# KiCad board ADCS_board.kicad_pcb (continued)
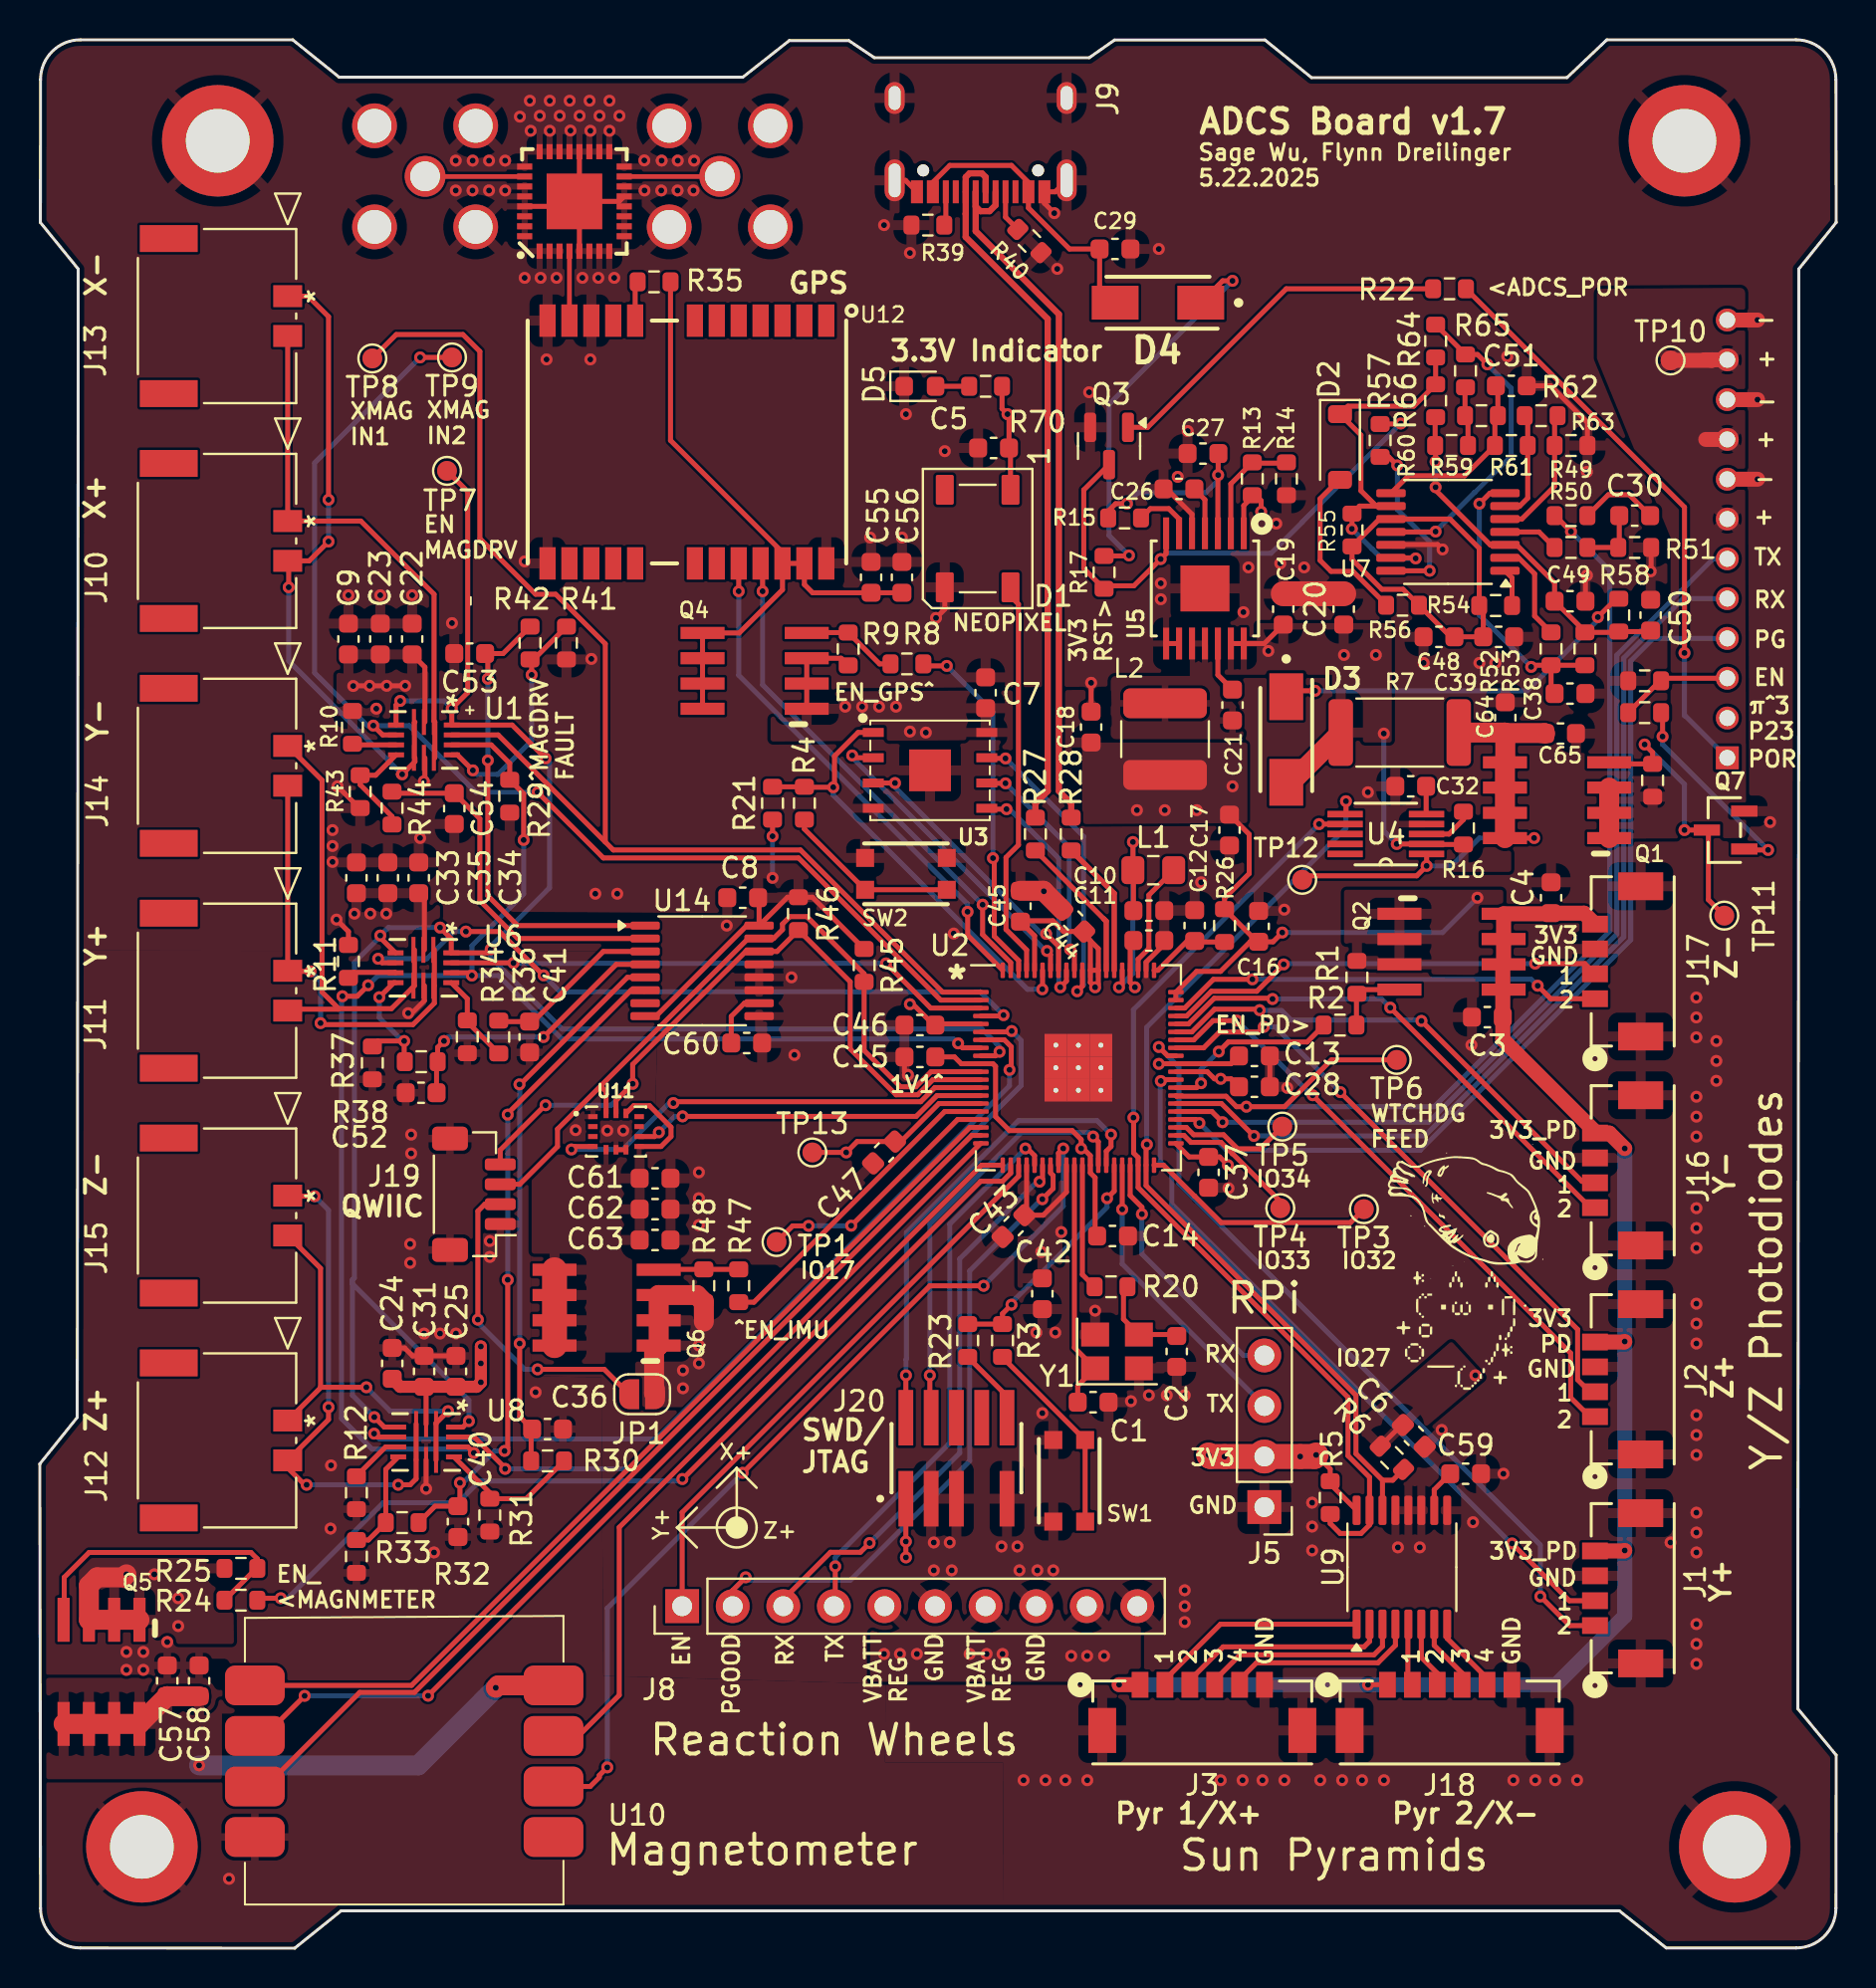
[diagram p0: board, top side]
## Footprints (pads in the part's own frame, mm; a bottom-side part is the same pattern mirrored in y, then rotated)
ADM1176-1ARMZ-R7
  rect 1.778x0.33 smd: 1(-2.045,1) 2(-2.045,0.5) 3(-2.045,0) 4(-2.045,-0.5) 5(-2.045,-1) 6(2.045,-1) 7(2.045,-0.5) 8(2.045,0) 9(2.045,0.5) 10(2.045,1)
BMI270
  rect 0.475x0.25 smd: 1(-1.163,0.75) 2(-1.163,0.25) 3(-1.163,-0.25) 4(-1.163,-0.75) 8(1.163,-0.75) 9(1.163,-0.25) 10(1.163,0.25) 11(1.163,0.75)
  rect 0.25x0.475 smd: 5(-0.5,-0.912) 6(0,-0.912) 7(0.5,-0.912) 12(0.5,0.912) 13(0,0.912) 14(-0.5,0.912)
BTN_KMR2_4.6X2.8
  rect 0.9x0.9 smd: A(2.05,0.8) A'(-2.05,0.8) B(2.05,-0.8) B'(-2.05,-0.8)
C_0603_1608Metric
  rrect 0.9x0.95 smd: 1(-0.775,0) 2(0.775,0)
Crystal_SMD_3225-4Pin_3.2x2.5mm
  rect 1.4x1.2 smd: 1(-1.1,-0.85) 2(1.1,-0.85) 3(1.1,0.85) 4(-1.1,0.85)
D_SOD-123
  rrect 0.9x1.2 smd: 1(-1.65,0) 2(1.65,0)
DIOM5226X262N
  rect 2.35x1.7 smd: 1(-2.15,0) 2(2.15,0)
DMP2040USS-13
  rect 0.61x2.21 smd: 1(-1.905,-2.616) 2(-0.635,-2.616) 3(0.635,-2.616) 4(1.905,-2.616) 5(1.905,2.616) 6(0.635,2.616) 7(-0.635,2.616) 8(-1.905,2.616)
JST_SH_BM04B-SRSS-TB_1x04-1MP_P1.00mm_Vertical
  rrect 0.6x1.55 smd: 1(-1.5,-1.325) 2(-0.5,-1.325) 3(0.5,-1.325) 4(1.5,-1.325)
  rrect 1.2x1.8 smd: MP(-2.8,1.2) MP(2.8,1.2)
L_0805_2012Metric_Pad1.15x1.40mm_HandSolder
  rrect 1.15x1.4 smd: 1(-1.025,0) 2(1.025,0)
L_2141
  rrect 1.5x4.2 smd: 1(-1.8,0) 2(1.8,0)
LED_0603_1608Metric
  rrect 0.875x0.95 smd: 1(-0.787,0) 2(0.787,0)
LED_WS2812B_PLCC4_5.0x5.0mm_P3.2mm
  rrect 1.5x0.9 smd: 1(-2.45,1.65) 2(-2.45,-1.65) 3(2.45,-1.65) 4(2.45,1.65)
Molex_35362-1250
  rect 1.15x1.15 hole 0.8: 1(0,0)
  round 1.15 hole 0.8: 2(-2,0) 3(-4,0) 4(-6,0) 5(-8,0) 6(-10,0) 7(-12,0) 8(-14,0) 9(-16,0) 10(-18,0) 11(-20,0) 12(-22,0)
Molex_205338-0002
  rect 1.1x1.45 smd: 1(0,0) 2(-2,0)
  rect 1.35x2.9 smd: 3(2.895,5.975) 4(-4.895,5.975)
Molex_505567-0431
  rect 0.838x1.295 smd: 1(0,0) 2(-1.25,0) 3(-2.5,0) 4(-3.75,0)
  rect 1.397x2.261 smd: 5(-5.65,2.295) 6(1.9,2.295)
Molex_505567-0631
  rect 0.838x1.295 smd: 1(0,0) 2(-1.25,0) 3(-2.5,0) 4(-3.75,0) 5(-5,0) 6(-6.25,0)
  rect 1.397x2.261 smd: 7(-8.15,2.295) 8(1.9,2.295)
MountingHole_3.2mm_M3_DIN965_Pad
  round 5.6 hole 3.2: 1(0,0)
Orion_B16
  rect 1.626x0.813 smd: 1(5.85,-7.62) 2(5.85,-6.52) 3(5.85,-5.42) 4(5.85,-4.32) 5(5.85,-3.22) 6(5.85,-2.12) 7(5.85,-1.02) 8(5.85,1.98) 9(5.85,3.08) 10(5.85,4.18) 11(5.85,5.28) 12(5.85,6.38) 13(-6.35,6.38) 14(-6.35,5.28) 15(-6.35,4.18) 16(-6.35,3.08) 17(-6.35,1.98) 18(-6.35,-1.02) 19(-6.35,-2.12) 20(-6.35,-3.22) 21(-6.35,-4.32) 22(-6.35,-5.42) 23(-6.35,-6.52) 24(-6.35,-7.62)
PinHeader_1x04_P2.54mm_Vertical
  rect 1.7x1.7 hole 1: 1(0,0)
  round 1.7 hole 1: 2(0,-2.54) 3(0,-5.08) 4(0,-7.62)
PinHeader_1x10_P2.54mm_Vertical
  rect 1.7x1.7 hole 1: 1(0,0)
  round 1.7 hole 1: 2(0,-2.54) 3(0,-5.08) 4(0,-7.62) 5(0,-10.16) 6(0,-12.7) 7(0,-15.24) 8(0,-17.78) 9(0,-20.32) 10(0,-22.86)
PWP14_2P31X2P46-L
  rect 1.6x0.305 smd: 1(-2.769,1.95) 2(-2.769,1.3) 3(-2.769,0.65) 4(-2.769,0) 5(-2.769,-0.65) 6(-2.769,-1.3) 7(-2.769,-1.95) 8(2.769,-1.95) 9(2.769,-1.3) 10(2.769,-0.65) 11(2.769,0) 12(2.769,0.65) 13(2.769,1.3) 14(2.769,1.95)
  rect 2.31x2.46 smd: 15(0,0)
QFN32-5X5MM
  rect 0.762x0.305 smd: 1(-2.5,1.75) 2(-2.5,1.25) 3(-2.5,0.75) 4(-2.5,0.25) 5(-2.5,-0.25) 6(-2.5,-0.75) 7(-2.5,-1.25) 8(-2.5,-1.75) 17(2.5,-1.75) 18(2.5,-1.25) 19(2.5,-0.75) 20(2.5,-0.25) 21(2.5,0.25) 22(2.5,0.75) 23(2.5,1.25) 24(2.5,1.75)
  rect 0.305x0.762 smd: 9(-1.75,-2.5) 10(-1.25,-2.5) 11(-0.75,-2.5) 12(-0.25,-2.5) 13(0.25,-2.5) 14(0.75,-2.5) 15(1.25,-2.5) 16(1.75,-2.5) 25(1.75,2.5) 26(1.25,2.5) 27(0.75,2.5) 28(0.25,2.5) 29(-0.25,2.5) 30(-0.75,2.5) 31(-1.25,2.5) 32(-1.75,2.5)
  rect 2.794x2.794 smd: EP(0,0)
QFN-14_MP6551_MNP
  rect 1.3x0.2 smd: 1(-0.9,0.5) 2(-0.9,0) 3(-0.9,-0.5) 8(0.9,-0.5) 9(0.9,0) 10(0.9,0.5)
  rect 0.25x0.8 smd: 4(-0.75,-1.4) 5(-0.25,-1.4) 6(0.25,-1.4) 7(0.75,-1.4) 11(0.75,1.4) 12(0.25,1.4) 13(-0.25,1.4) 14(-0.75,1.4)
R_0603_1608Metric
  rrect 0.8x0.95 smd: 1(-0.825,0) 2(0.825,0)
R_2512_6332Metric
  rrect 1.225x3.35 smd: 1(-2.962,0) 2(2.962,0)
RM3100CB
  rrect 3x2 smd: 1(-7.5,3.81) 2(-7.5,1.27) 3(-7.5,-1.27) 4(-7.5,-3.81) 5(7.5,3.81) 6(7.5,1.27) 7(7.5,-1.27) 8(7.5,-3.81)
RP2350-QFN-80-1EP_10x10_P0.4mm_EP3.4x3.4mm_ThermalVias
  rrect 1.2x1.2 smd: (-0.7,0.7) (-0.7,-0.7) (0.7,0.7) (0.7,-0.7)
  rrect 0.78x0.22 smd: 1(-4.896,3.8) 2(-4.896,3.4) 3(-4.896,3) 4(-4.896,2.6) 5(-4.896,2.2) 6(-4.896,1.8) 7(-4.896,1.4) 8(-4.896,1) 9(-4.896,0.6) 10(-4.896,0.2) 11(-4.896,-0.2) 12(-4.896,-0.6) 13(-4.896,-1) 14(-4.896,-1.4) 15(-4.896,-1.8) 16(-4.896,-2.2) 17(-4.896,-2.6) 18(-4.896,-3) 19(-4.896,-3.4) 20(-4.896,-3.8) 41(4.896,-3.8) 42(4.896,-3.4) 43(4.896,-3) 44(4.896,-2.6) 45(4.896,-2.2) 46(4.896,-1.8) 47(4.896,-1.4) 48(4.896,-1) 49(4.896,-0.6) 50(4.896,-0.2) 51(4.896,0.2) 52(4.896,0.6) 53(4.896,1) 54(4.896,1.4) 55(4.896,1.8) 56(4.896,2.2) 57(4.896,2.6) 58(4.896,3) 59(4.896,3.4) 60(4.896,3.8)
  rrect 0.22x0.78 smd: 21(-3.8,-4.896) 22(-3.4,-4.896) 23(-3,-4.896) 24(-2.6,-4.896) 25(-2.2,-4.896) 26(-1.8,-4.896) 27(-1.4,-4.896) 28(-1,-4.896) 29(-0.6,-4.896) 30(-0.2,-4.896) 31(0.2,-4.896) 32(0.6,-4.896) 33(1,-4.896) 34(1.4,-4.896) 35(1.8,-4.896) 36(2.2,-4.896) 37(2.6,-4.896) 38(3,-4.896) 39(3.4,-4.896) 40(3.8,-4.896) 61(3.8,4.896) 62(3.4,4.896) 63(3,4.896) 64(2.6,4.896) 65(2.2,4.896) 66(1.8,4.896) 67(1.4,4.896) 68(1,4.896) 69(0.6,4.896) 70(0.2,4.896) 71(-0.2,4.896) 72(-0.6,4.896) 73(-1,4.896) 74(-1.4,4.896) 75(-1.8,4.896) 76(-2.2,4.896) 77(-2.6,4.896) 78(-3,4.896) 79(-3.4,4.896) 80(-3.8,4.896)
  round 0.6 hole 0.25: 81(-1.133,1.133) 81(-1.133,0) 81(-1.133,-1.133) 81(0,1.133) 81(0,0) 81(0,-1.133) 81(1.133,1.133) 81(1.133,0) 81(1.133,-1.133)
  rect 1.133x1.133 smd: 81(-1.133,1.133) 81(-1.133,0) 81(-1.133,-1.133) 81(0,1.133) 81(0,0) 81(0,-1.133) 81(1.133,1.133) 81(1.133,0) 81(1.133,-1.133)
SAMTEC_FTSH-105-01-L-DV-007
  rect 0.74x2.79 smd: 1(-2.54,-2.035) 2(-2.54,2.035) 3(-1.27,-2.035) 4(-1.27,2.035) 5(0,-2.035) 6(0,2.035) 8(1.27,2.035) 9(2.54,-2.035) 10(2.54,2.035)
SMA_Amphenol_901-144_horizontal
  round 2.05 hole 1.5: 1(0,0)
  round 2.25 hole 1.7: 2(-2.54,-2.54) 2(-2.54,2.54) 2(2.54,-2.54) 2(2.54,2.54)
SolderJumper-2_P1.3mm_Open_RoundedPad1.0x1.5mm
  custom 1x1.5 smd: 1(-0.65,0) 2(0.65,0)
SON127P600X500X90-9N
  rect 1.05x0.45 smd: 1(-2.85,1.905) 2(-2.85,0.635) 3(-2.85,-0.635) 4(-2.85,-1.905) 5(2.85,-1.905) 6(2.85,-0.635) 7(2.85,0.635) 8(2.85,1.905)
  rect 2.1x2.1 smd: 9(0,0)
SOT-23
  rect 0.559x1.321 smd: 1(-0.953,-1.003) 2(0.953,-1.003) 3(0,0.876)
SOT-23#2
  rrect 1.475x0.6 smd: 1(-0.938,0.95) 2(-0.938,-0.95) 3(0.938,0)
TestPoint_Pad_D1.0mm
  round 1 smd: 1(0,0)
TSSOP-14_4.4x5mm_P0.65mm
  rrect 1.475x0.4 smd: 1(-2.862,1.95) 2(-2.862,1.3) 3(-2.862,0.65) 4(-2.862,0) 5(-2.862,-0.65) 6(-2.862,-1.3) 7(-2.862,-1.95) 8(2.862,-1.95) 9(2.862,-1.3) 10(2.862,-0.65) 11(2.862,0) 12(2.862,0.65) 13(2.862,1.3) 14(2.862,1.95)
TSSOP-16_4.4x5mm_P0.65mm
  rrect 1.475x0.4 smd: 1(-2.862,2.275) 2(-2.862,1.625) 3(-2.862,0.975) 4(-2.862,0.325) 5(-2.862,-0.325) 6(-2.862,-0.975) 7(-2.862,-1.625) 8(-2.862,-2.275) 9(2.862,-2.275) 10(2.862,-1.625) 11(2.862,-0.975) 12(2.862,-0.325) 13(2.862,0.325) 14(2.862,0.975) 15(2.862,1.625) 16(2.862,2.275)
USB_C_Receptacle_XKB_U262-161N-4BVC11
  round 0.6 hole 0.65 unplated: (-2.385,4.035) (3.385,4.035)
  rect 0.6x1.15 smd: A1(-2.7,5.11) A4(-1.9,5.11) A9(2.9,5.11) A12(3.7,5.11)
  rect 0.3x1.15 smd: A5(-0.75,5.11) A6(0.25,5.11) A7(0.75,5.11) A8(1.75,5.11) B5(2.25,5.11) B6(1.25,5.11) B7(-0.25,5.11) B8(-1.25,5.11)
  oval 1x2.1 hole 0.6x1.7: S1(-3.82,4.535) S1(4.82,4.535)
  oval 1x1.6 hole 0.6x1.2: S1(-3.82,0.395) S1(4.82,0.395)

## Nets
3.3V: C5.1 C6.1 C7.1 C8.1 C11.1 C16.1 C17.2 C18.2 C28.1 C37.1 C42.1 C43.1 C44.1 C45.1 C46.1 C47.1 D1.1 J5.2 J20.1 JP1.2 L2.2 Q2.1 Q2.2 Q2.3 Q4.1 Q4.2 Q4.3 Q5.1 Q5.2 Q5.3 Q6.1 Q6.2 Q6.3 R1.2 R5.1 R6.1 R9.2 R13.2 R21.2 R25.2 R26.1 R29.2 R45.1 R46.1 R48.2 R70.2 TP13.1 U2.5 U2.15 U2.24 U2.29 U2.41 U2.50 U2.59 U2.60 U2.64 U2.68 U2.69 U2.76 U3.8 U5.1 U9.16 U14.8 U14.16
3V3_RESET: Q3.3 R17.2 R57.2 U5.7
+1V1: C10.1 C13.1 C14.1 C15.1 L1.1 U2.10 U2.32 U2.51 U2.65
/GPS/3V3_GPS: C55.1 C56.1 Q4.5 Q4.6 Q4.7 Q4.8 R35.2 U12.22 U12.23
/IMU_and_Magnetometer/3V3_IMU: C61.1 C62.1 C63.1 Q6.5 Q6.6 Q6.7 Q6.8 U11.5 U11.8 U11.12
/IMU_and_Magnetometer/3V3_MAGNMETER: C57.1 C58.1 Q5.5 Q5.6 Q5.7 Q5.8 U10.5
/Photodiodes/3V3_PD: C3.1 C4.1 J1.4 J2.4 J3.1 J16.4 J17.4 J18.1 Q2.5 Q2.6 Q2.7 Q2.8
GND: C1.2 C2.2 C3.2 C4.2 C5.2 C6.2 C7.2 C8.2 C9.2 C10.2 C11.2 C12.2 C13.2 C14.2 C15.2 C16.2 C17.1 C18.1 C19.2 C20.2 C22.2 C23.2 C24.2 C25.2 C26.2 C27.2 C28.2 C29.2 C31.2 C32.1 C33.2 C34.2 C35.2 C36.2 C37.2 C38.1 C39.1 C40.2 C41.2 C42.2 C43.2 C44.2 C45.2 C46.2 C47.2 C48.1 C49.1 C50.2 C51.1 C52.2 C53.2 C54.2 C55.2 C56.2 C57.2 C58.2 C59.2 C60.2 C61.2 C62.2 C63.2 C64.2 C65.2 D1.3 D5.1 H1.1 H2.1 H3.1 H4.1 J1.3 J1.5 J1.6 J2.3 J2.5 J2.6 J3.6 J3.7 J3.8 J4.8 J4.10 J4.12 J5.1 J6.2 J7.2 J8.6 J8.8 J8.10 J9.A1 J9.A12 J9.S1 J16.3 J16.5 J16.6 J17.3 J17.5 J17.6 J18.6 J18.7 J18.8 J19.1 J19.MP J20.3 J20.5 J20.9 Q3.2 Q7.2 R10.2 R11.2 R12.2 R14.1 R31.2 R32.2 R34.2 R37.2 R39.1 R40.1 R41.2 R43.2 R51.1 R63.2 R68.1 SW1.B SW1.B' SW2.B SW2.B' U1.9 U2.62 U2.81 U3.4 U3.9 U4.4 U5.5 U5.8 U5.9 U5.15 U6.9 U7.12 U8.9 U9.9 U9.11 U9.12 U9.13 U10.4 U11.1 U11.6 U11.7 U12.10 U12.12 U12.13 U12.24 U13.1 U13.2 U13.3 U13.5 U13.6 U13.7 U13.8 U13.9 U13.10 U13.11 U13.12 U13.13 U13.14 U13.16 U13.17 U13.18 U13.19 U13.20 U13.21 U13.22 U13.23 U13.24 U13.25 U13.27 U13.28 U13.29 U13.30 U13.31 U13.32 U13.EP U14.9 U14.11 U14.12 U14.13 Y1.2 Y1.4
VBATT_REG: C9.1 C19.1 C20.1 C22.1 C23.1 C24.1 C25.1 C31.1 C33.1 C34.1 C35.1 D3.2 D4.1 J8.5 J8.7 J8.9 R7.1 R16.1 R17.1 U1.2 U4.2 U5.13 U5.14 U6.2 U8.2
VBATT_SENSE: J4.7 J4.9 J4.11 Q1.1 Q1.2 Q1.3 R69.2 TP10.1
/Avionics/FLASH_CS: R4.2 R21.1 U2.75 U3.1
/Avionics/FLASH_IO2: U2.73 U3.3
/Avionics/FLASH_IO3: U2.70 U3.7
/Avionics/FLASH_MISO: U2.74 U3.2
/Avionics/FLASH_MOSI: U2.72 U3.5
/Avionics/FLASH_SCK: U2.71 U3.6
/Avionics/Magdrv Current Monitor Mux/Ch6: U14.7
/Avionics/Magdrv Current Monitor Mux/VREF: C60.1 U14.10
/Avionics/NEOPIXEL: D1.4 U2.77
/Avionics/RUN: R3.2 R23.2 U2.35
/Avionics/Sun Pyramid Mux/VREF: C59.1 U9.10
/Avionics/USB_IC_D+: R27.1 U2.67
/Avionics/USB_IC_D-: R28.1 U2.66
/Avionics/XTAL1: C1.1 U2.30 Y1.1
/Avionics/XTAL2: R20.2 U2.31
/GPS/RF_IN: U12.11 U13.4
/Watchdog/ref1: R62.2 R63.1 U7.5
/Watchdog/ref2: R61.2 R62.1 U7.6
/Watchdog/ref3: C51.2 R60.2 R61.1 U7.8
/Watchdog/ref4: R59.2 R60.1 R65.2
/Watchdog/WD_integrate: C39.2 C48.2 R54.2 R55.1 R56.1 U7.10
/Watchdog/WD_Vcc: C49.2 C50.1 R53.2 R58.2 R59.1 R66.2 U7.3
ADCS_EN: J4.3 R67.2 R68.2
ADCS_EN_OUT: C64.1 C65.1 Q1.5 Q1.6 Q1.7 Q1.8 R7.2 TP12.1 U4.1
ADCS_PGOOD: J4.4 U2.44
ADCS_POR: J4.1 R22.2
EN_GPS: R8.2 U2.78
EN_IMU: R47.2 U2.16
EN_MAGDRV: TP7.1 U1.4 U1.14 U2.9 U6.4 U6.14 U8.4 U8.14
EN_MAGNMETER: R24.2 U2.22
EN_PD: R2.2 U2.48
GPIO_17: TP1.1 U2.17
GPIO_32: TP3.1 U2.40
GPIO_33: TP4.1 U2.42
GPIO_34: TP5.1 U2.43
I2C0_SCL: J19.4 R46.2 U2.12 U11.13 U14.14
I2C0_SDA: J19.3 R45.2 U2.11 U11.14 U14.15
I2C1_SCL: R6.2 U2.39 U4.6 U9.14
I2C1_SDA: R5.2 U2.38 U4.7 U9.15
IMU_INT1: U2.13 U11.4
IMU_INT2: U2.14 U11.9
MAGMETER_DRDY: U2.28 U10.7
MISO_MAGMETER: U2.20 U10.2
MOSI_MAGMETER: U2.19 U10.3
MOTOR_EN: J8.1 U2.23
MOTOR_PGOOD: J8.2 U2.27
pd_y+_1: J1.2 U2.49
pd_y+_2: J1.1 U2.52
pd_y-_1: J16.2 U2.55
pd_y-_2: J16.1 U2.56
pd_z+_1: J2.2 U2.53
pd_z+_2: J2.1 U2.54
pd_z-_1: J17.2 U2.57
pd_z-_2: J17.1 U2.58
pyramid1_1: J3.2 U9.1
pyramid1_2: J3.3 U9.2
pyramid1_3: J3.4 U9.3
pyramid1_4: J3.5 U9.4
pyramid2_1: J18.2 U9.5
pyramid2_2: J18.3 U9.6
pyramid2_3: J18.4 U9.7
pyramid2_4: J18.5 U9.8
Q1_GATE: Q1.4 Q7.3 R69.1 TP11.1
RX_FROM_GPS: U2.80 U12.20
RX_FROM_MOTOR: J8.3 U2.26
RX_FROM_PICUBED: J4.5 U2.46
SCLK_MAGMETER: U2.18 U10.1
SCS_MAGMETER: U2.21 U10.6
SWCLK: J20.4 U2.33
SWDIO: J20.2 U2.34
TX_TO_GPS: U2.79 U12.21
TX_TO_MOTOR: J8.4 U2.25
TX_TO_PICUBED: J4.6 U2.45
UART_FROM_DEBUG: J5.4 U2.37
UART_TO_DEBUG: J5.3 U2.36
USB_CC1: J9.A5 R40.2
USB_CC2: J9.B5 R39.2
USB_D+: J9.A6 J9.B6 R27.2
USB_D-: J9.A7 J9.B7 R28.2
WATCHDOG_FEED: R49.1 TP6.1 U2.47
X_MAGDRV_CM1: C53.1 R42.1 U14.1
X_MAGDRV_CM2: C54.1 R44.1 U14.2
X_MAGDRV_IN1: TP8.1 U1.13 U2.1
X_MAGDRV_IN2: TP9.1 U1.5 U2.2
X_MAGDRV_nFAULT: R29.1 U1.12 U2.8 U6.12 U8.12
X_MAGDRV_OUT1: J10.1 J13.2 U1.1 U1.10
X_MAGDRV_OUT2: J10.2 J13.1 U1.3 U1.8
Y_MAGDRV_CM1: C41.1 R36.1 U14.3
Y_MAGDRV_CM2: C52.1 R38.1 U14.4
Y_MAGDRV_IN1: U2.3 U6.13
Y_MAGDRV_IN2: U2.4 U6.5
Y_MAGDRV_OUT1: J11.1 J14.2 U6.1 U6.10
Y_MAGDRV_OUT2: J11.2 J14.1 U6.3 U6.8
Z_MAGDRV_CM1: C36.1 R30.1 U14.5
Z_MAGDRV_CM2: C40.1 R33.1 U14.6
Z_MAGDRV_IN1: U2.6 U8.13
Z_MAGDRV_IN2: U2.7 U8.5
Z_MAGDRV_OUT1: J12.1 J15.2 U8.1 U8.10
Z_MAGDRV_OUT2: J12.2 J15.1 U8.3 U8.8
~{RESET}: J20.10 R23.1
Net-(C2-Pad1): C2.1 R20.1 Y1.3
Net-(C30-Pad1): C30.1 R49.2
Net-(C30-Pad2): C30.2 R50.1 R51.2
Net-(D2-A): D2.2 R56.2
Net-(D2-K): D2.1 R55.2 R64.2 R66.1 U7.9 U7.13
Net-(D3-K): D3.1 R58.1
Net-(D4-A): C29.1 D4.2 J9.A4 J9.A9
Net-(D5-A): D5.2 R70.1
Net-(J6-In): J6.1 U13.15
Net-(J7-In): J7.1 U13.26
Net-(J19-Pin_2): J19.2 JP1.1
Net-(Q2-Gate): Q2.4 R1.1 R2.1
Net-(Q3-B): Q3.1 R22.1
Net-(Q4-Gate): Q4.4 R8.1 R9.1
Net-(Q5-Gate): Q5.4 R24.1 R25.1
Net-(Q6-Gate): Q6.4 R47.1 R48.1
Net-(Q7-G): Q7.1 R67.1
Net-(R52-Pad1): R52.1 U7.2
Net-(R54-Pad1): R54.1 U7.1
Net-(R57-Pad1): R57.1 U7.14
Net-(SW1-P): R3.1 SW1.A SW1.A'
Net-(SW2-P): R4.1 SW2.A SW2.A'
Net-(U1-CM1): R41.1 R42.2 U1.11
Net-(U1-CM2): R43.1 R44.2 U1.7
Net-(U1-SR): R10.1 U1.6
Net-(U2-VREG_AVDD): C12.1 R26.2 U2.61
Net-(U2-VREG_LX): L1.2 U2.63
Net-(U4-ON): R16.2 U4.3
Net-(U4-TIMER): C32.2 U4.5
Net-(U5-PG): R15.1 U5.6
Net-(U5-SS): C26.1 U5.4
Net-(U5-SW1): C21.1 L2.1 U5.10 U5.11
Net-(U5-VBST): C21.2 U5.12
Net-(U5-VFB): R13.1 R14.2 U5.2
Net-(U5-VREG5): C27.1 R15.2 U5.3
Net-(U6-CM1): R34.1 R36.2 U6.11
Net-(U6-CM2): R37.1 R38.2 U6.7
Net-(U6-SR): R11.1 U6.6
Net-(U7A--): R50.2 U7.4
Net-(U7B-+): C38.2 R52.2 R53.1 U7.7
Net-(U7C-+): R64.1 R65.1 U7.11
Net-(U8-CM1): R30.2 R31.1 U8.11
Net-(U8-CM2): R32.1 R33.2 U8.7
Net-(U8-SR): R12.1 U8.6
Net-(U12-RSTN): R35.1 U12.8

Pads without a net: D1 2; J4 2; J9 A8 B8; J10 3 4; J11 3 4; J12 3 4; J13 3 4; J14 3 4; J15 3 4; J20 6 8; U4 8 9 10; U10 8; U11 2 3 10 11; U12 1 2 3 4 5 6 7 9 14 15 16 17 18 19

## Via types
v1: diameter 0.6, hole 0.3, Top to Bottom, 427 vias

## Routing (per net, layer and track width the routed paths; a pad name or vN(x,y) marks a point on that pad's centre or on a via; arc(x,y) is an arc through that point)
3.3V: length 130.8
  Top w0.25: U2.76 49.96,50.88 C45.1 49.29,51.63 50.88,51.63 51.42,51.09 C44.1 ; U14.8 30.95,46.84 35.5,51.39 U14.16 ; U2.41 57.06,40.43 57.72,39.76 C37.1 59.25,39.76 v1(59.67,39.35) ; R21.2 v1(36.8,55.88) ; U2.60 58.1,49.09 59.3,49.09 60.78,50.57 C16.1 ; U2.60 57.06,47.99 ; U2.60 57.06,47.99 ; 64.1,24.41 v1(64.1,24.79) 64.81,24.08 R5.1 64.81,23.33 U9.16 ; v1(43.5,19.64) 43.49,19.64 v1(43.49,20.44) J20.1 ; U2.59 57.06,47.99 ; R46.1 38.8,52.81 R45.1 ; R46.1 38.12,52.79 ; R46.1 37.55,52.81 U14.16 ; C6.1 68.39,26.29 R6.1 ; v1(61.34,72.19) 61.34,72.73 61.02,73.05 60.47,72.49 U5.1 ; C28.1 59.82,43.69 58.99,43.69 58.64,44.04 U2.50 ; U2.69 52.76,48.53 v1(53,48.29) 53.16,48.45 U2.68 ; U2.69 U2.68 ; U2.69 52.76,50.63 52.3,51.09 53.16,50.23 U2.68 ; C8.1 36.12,52.74 U14.16 ; C16.1 61.14,50.57 R26.1 59.5,52.76 60.74,54 60.74,55.97 C17.2 ; C16.1 61.93,50.57 v1(62.4,51.04) ; v1(43.7,47.44) 43.85,47.44 44.84,46.44 U2.5 ; 54.76,50.47 U2.64 54.76,48.53 v1(55,48.29) ; Q4.1 Q4.2 Q4.3 40.24,64.82 R9.2 ; U2.15 45.16,42.44 43.25,40.53 C47.1 41.05,40.53 v1(40.5,39.99) TP13.1 ; U2.24 49.56,36.94 C43.1 50.4,36.83 51.56,38 U2.29 ; R70.2 48.32,77.36 v1(48.6,77.09) 48.67,77.01 C5.1 48.75,75.31 D1.1
  Top w1: JP1.2 30.85,27.89 30.85,30.05 Q6.1 Q6.2 Q6.3 32.99,32.82 R48.2 33.35,31.49 ; Q5.1 Q5.3 2.46,18.23 2.87,18.64 4.2,18.64 v1(4.35,18.79)
  Top w1.25: v1(64.1,24.79) 64.02,24.71 v1(63.3,24.71) J5.2 v1(59.5,24.71) 58.78,24.71 v1(58.7,24.79)
  Route15 w0.25: v1(55,48.29) 55,49.59 ; v1(53,48.29) 53,49.29
  Bottom w0.25: v1(62.4,51.04) 70.45,51.04 v1(72.2,52.79) ; v1(36.8,53.79) v1(36.8,55.88)
  vias: v1(5.75,18.79) v1(6.95,17.59) v1(6.95,16.19) v1(27.9,52.99) v1(29,52.99) v1(32.3,29.04) v1(32.3,28.14) v1(33.1,30.29) v1(33.1,29.39) v1(40.45,62.39) v1(41.3,62.39) v1(42.15,62.39) v1(43,62.39) v1(43.7,61.14) v1(44.5,61.09) v1(50.3,34.99) v1(51.3,35.99) v1(55.1,57.19) v1(56.5,57.19) v1(58.1,57.19) v1(59.31,43.69) v1(59.9,58.39) v1(72.1,28.79)
3V3_RESET: length 27.8
  Top w0.25: U5.7 56.57,70.08 v1(56.29,69.8) 54.95,68.46 53.6,68.46 ; Q3.3 52.43,73.28 52.43,69.33 R17.2 ; v1(68.35,76.62) 68.32,76.59 R57.2
  Bottom w0.25: v1(56.29,69.8) 56.58,70.1 61.84,70.1 63.41,71.67 63.41,71.68 v1(68.35,76.62)
+1V1: length 31.9
  Top w0.25: v1(56.2,44.44) 56.21,44.44 U2.51 59.83,44.44 C13.1 ; 52.97,35.79 53,35.81 53,38.72 52.76,38.96 U2.32 52.76,39.83 52.4,40.19 v1(52.3,40.19) 52.3,40.64 51.85,41.09 48.7,41.09 48,41.79 48,44.31 47.87,44.44 U2.10 46.28,44.44 45.94,44.79 C15.1 ; v1(54.9,55.59) 54.9,54.17 L1.1 54.92,54.14 C10.1 ; v1(54.2,48.29) 54.36,48.45 U2.65
  Bottom w0.25: v1(54.9,55.59) 54.9,48.99 v1(54.2,48.29)
/GPS/3V3_GPS: length 33.8
  Top w0.25: R35.2 31.67,75.77 37.3,70.14 U12.22 ; C56.1 C55.1 38.81,68.11 38.4,68.52 U12.23 U12.22 ; U12.22 37.3,68.27 35.13,66.09 Q4.5 Q4.6 Q4.7 Q4.8
/IMU_and_Magnetometer/3V3_IMU: length 9
  Top w0.25: U11.12 29.82,42.34 30.62,42.34 31.7,41.26 31.7,40.79 31.2,40.29 U11.8 ; 28.45,40.11 U11.5
  Top w1.25: Q6.5 Q6.6 Q6.7 Q6.8
/IMU_and_Magnetometer/3V3_MAGNMETER: length 26.8
  Top w1: C58.1 C57.1 6.4,12.66 Q5.8 Q5.7 Q5.6 Q5.5 ; v1(22.9,13.09) 23.02,13.21 U10.5
  Bottom w1: v1(22.9,13.09) 19,9.19 v1(8,9.19)
/Photodiodes/3V3_PD: length 74.9
  Top w0.235: 73.47,48.13 Q2.5
  Top w0.25: 73.47,49.4 Q2.6 ; v1(66.71,13.24) 67.68,13.24
  Top w0.75: v1(79.6,30.49) 79.57,30.46 J2.4 ; 78.1,41.04 73.47,45.67 C3.1 73.47,49.4 ; Q2.6 Q2.7 Q2.8 75.87,51.98 C4.1 77.56,52.01 J17.4 ; v1(79.6,19.99) 79.57,19.96 J1.4 ; v1(79.6,40.19) 78.82,40.96 J16.4 ; v1(54.21,13.24) 55.25,13.24
  Bottom w0.75: v1(54.21,13.24) v1(66.71,13.24) 76.16,13.24 79.6,16.69 v1(79.6,19.99) v1(79.6,30.49) v1(79.6,40.19)
GND: length 57.8
  Top w0.25: v1(45.01,66.85) 45.45,67.29 D1.3 ; v1(50.95,87.19) 50.45,87.68 J9.A1 51,88.26 J9.S1 ; v1(14.95,58.39) 16.04,57.29 R43.2 ; v1(43.6,43.89) 43.42,44.06 C15.2 ; U13.20 27.1,88.03 U13.EP ; 77.2,60.99 C65.2 ; U13.EP 29.1,87.78 U13.13 ; U13.EP 26.6,87.53 U13.29 ; U13.EP 27.1,87.53 U13.5 ; 19.34,59.82 19.34,58.69 v1(19.29,58.64) ; U5.5 57.87,72.06 56.59,73.33 C26.2 ; 67.33,70.54 70.2,70.54 v1(70.45,70.29) ; J9.S1 43.48,88.83 J9.A12 ; C24.2 18.32,30.16 18.72,29.76 C31.2 C25.2 ; U2.62 55.56,49.55 56.47,50.46 C11.2 ; v1(77.7,68.99) 77.63,68.91 C49.1 ; 43.51,77.1 v1(43.5,77.09) ; 19.31,48.37 19.31,47.61 18.69,46.99 v1(18.5,46.99) ; U8.9 v1(19.4,23.09) ; C13.2 61.77,43.37 ; v1(80.9,69.19) 80.92,69.21 R51.1 ; U5.8 U5.9 ; v1(52.8,63.59) C18.1 ; U11.6 U11.7 ; C51.1 75.88,78.51 77.73,76.66 R63.2 ; R11.2 15.5,51.09 v1(14.9,51.69)
  Top w0.75: v1(86.27,73.82) J4.8 ; v1(86.27,77.82) J4.10 ; v1(86.27,81.82) J4.12
  Top w1: C45.2 50.4,53.14 v1(50.42,53.11) C44.2
  Top w1.25: C20.2 C19.2
  vias: v1(4.35,14.89) v1(4.35,13.99) v1(5.2,14.89) v1(5.2,13.99) v1(6.4,15.39) v1(9.5,3.49) v1(14.62,24.26) v1(14.6,21.09) v1(14.7,56.19) v1(14.7,55.39) v1(14.7,54.59) v1(15.5,67.99) v1(16.9,62.29) v1(17.1,67.99) v1(18.6,35.39) v1(18.6,34.44) v1(18.7,67.99) v1(18.65,40.89) v1(18.65,39.94) v1(19.1,55.79) v1(19.3,30.89) v1(19.8,19.89) v1(20.1,30.89) v1(20.7,66.59) v1(20.89,89.83) v1(20.89,88.33) v1(20.9,30.89) v1(21.74,89.83) v1(21.73,88.33) v1(22.56,89.83) v1(22.56,88.33) v1(22.6,35.54) v1(22.6,34.74) v1(23.37,89.83) v1(23.37,88.33) v1(24.11,92.04) v1(24.35,83.94) v1(24.35,69.69) v1(24.61,92.84) v1(24.65,91.33) v1(24.9,27.94) v1(25.11,92.08) v1(25.15,83.94) v1(25.45,79.84) v1(25.61,92.84) v1(25.61,91.33) v1(25.95,83.94) v1(26.11,92.08) v1(26.61,92.84) v1(26.65,91.34) v1(26.91,41.11) v1(27.11,92.08) v1(27.25,83.94) v1(27.61,92.84) v1(27.65,91.33) v1(27.65,79.84) v1(27.7,64.79) v1(28.05,83.94) v1(28.11,92.08) v1(28.5,41.09) v1(28.61,92.84) v1(28.61,91.33) v1(28.85,83.94) v1(29.11,92.08) v1(29.3,41.09) v1(30.36,89.84) v1(30.37,88.33) v1(31.23,89.83) v1(31.21,88.33) v1(32.04,89.83) v1(32.03,88.33) v1(32.83,88.33) v1(32.86,89.83) v1(33.1,38.99) v1(33.1,37.69) v1(33.1,36.34) v1(34.5,51.39) v1(37.75,48.79) v1(37.9,44.89) v1(41.7,70.89) v1(42.4,86.59) v1(43.3,70.89) v1(43.7,85.19) v1(44.9,20.39) v1(44.9,18.99) v1(45.45,75.23) v1(45.7,20.39) v1(45.8,18.99) v1(45.9,50.99) v1(48.3,20.19) v1(49.1,20.19) v1(49.2,18.99) v1(49.41,8.44) v1(50.05,30.94) v1(50.1,18.99) v1(50.35,26.89) v1(50.51,8.44) v1(50.9,18.99) v1(51,30.94) v1(51.1,84.39) v1(51.51,8.44) v1(52.61,8.44) v1(52.7,78.19) v1(53,32.04) v1(54.8,27.49) v1(55.7,27.79) v1(56.2,85.39) v1(56.3,68.59) v1(56.3,67.79) v1(56.6,27.79) v1(57.15,73.94) v1(57.5,27.79) v1(57.5,17.99) v1(57.5,17.19) v1(57.5,16.39) v1(57.65,76.24) v1(58.32,53.56) v1(59.31,8.44) v1(59.7,38.19) v1(60.41,8.44) v1(60.45,67.14) v1(60.7,69.39) v1(61.41,8.44) v1(62.1,71.59) v1(62.3,69.59) v1(62.5,52.19) v1(62.51,8.44) v1(62.65,43.24) v1(63.5,69.39) v1(63.9,22.39) v1(63.9,21.19) v1(63.9,19.99) v1(64.31,8.44) v1(65.41,8.44) v1(66.41,8.44) v1(66.7,58.09) v1(67.51,8.44) v1(68.21,20.14) v1(69.31,20.14) v1(69.5,64.59) v1(70.41,26.04) v1(71.9,45.39) v1(71.98,21.41) v1(72.3,64.59) v1(73.1,64.59) v1(73.51,23.84) v1(73.7,79.99) v1(74.01,8.44) v1(75.11,8.44) v1(76.11,8.44) v1(77.21,8.44) v1(77.7,74.19) v1(81.9,20.39) v1(83.19,47.77) v1(83.19,46.77) v1(83.19,45.77) v1(83.2,42.79) v1(83.2,41.79) v1(83.2,40.79) v1(83.2,37.19) v1(83.2,36.19) v1(83.2,35.19) v1(83.2,32.39) v1(83.2,31.39) v1(83.2,30.39) v1(83.2,26.79) v1(83.2,25.79) v1(83.2,24.79) v1(83.2,21.89) v1(83.2,20.89) v1(83.2,19.89) v1(83.2,16.29) v1(83.2,15.29) v1(83.2,14.29) v1(84.2,45.59) v1(84.2,44.59) v1(84.2,43.59) v1(86.9,56.59)
VBATT_REG: length 54.4
  Top w0.25: v1(68.15,55.49) U4.2 69.67,55.46 R16.1 ; v1(15.74,63.43) 15.75,63.44 v1(16.56,63.44) v1(17.42,63.44) v1(18.35,63.44) ; C34.1 19.31,52.73 19.31,50.17 ; C19.1 61.5,65.56 U5.14 U5.13 ; R17.1 54.67,69.96 v1(54.7,69.99) ; U8.2 19.4,28.11 C31.1 ; D4.1 59.4,83.79 v1(59.9,83.79) ; C22.1 19.34,64.37 19.34,61.62 ; 19.4,28.06 19.35,28.11
  Top w0.5: C34.1 19.21,52.83
  Top w0.61: 21.95,28.24 v1(22.15,28.44) ; v1(22.15,28.44) v1(22.15,30.24) ; v1(22.15,28.44) 21.92,28.21 C25.1 C31.1 18.1,28.21 C24.1
  Top w1: D3.2 62.84,58.59 R7.1
  Bottom w0.25: v1(59.9,83.79) 53.7,77.59 53.7,70.99 v1(54.7,69.99) ; v1(67.5,61.04) 67.5,56.14 v1(68.15,55.49)
  vias: v1(15.8,51.99) v1(16.6,51.99) v1(17.4,51.99) v1(22.15,29.39) v1(42.4,14.79) v1(43.2,14.79) v1(44.05,14.79) v1(46.7,14.79) v1(47.55,14.79) v1(48.35,14.79) v1(51.8,14.69) v1(52.6,14.69) v1(53.45,14.69) v1(61.7,65.19) v1(65.5,64.99) v1(67.1,64.99)
VBATT_SENSE: length 6.8
  Top w0.75: 83.67,75.82 84.7,75.82 ; 84,79.82 84.7,79.82 ; 84,79.82 83.6,79.82 ; 84,79.82 83.97,79.79 TP10.1
  Top w1: Q1.3 Q1.2 Q1.1
/Avionics/FLASH_CS: length 23
  Top w0.25: v1(50.35,48.19) 50.36,48.2 U2.75 ; R21.1 R4.2 38.42,58.34 v1(39.85,58.34) 39.91,58.4 39.91,59.9 41.1,61.09 U3.1
  Bottom w0.25: v1(39.85,58.34) 39.85,57.94 49.6,48.19 v1(50.35,48.19)
/Avionics/FLASH_IO2: length 14.1
  Top w0.25: v1(50.54,50.97) 51.16,50.35 U2.73 ; v1(42.95,58.55) U3.3 41.89,58.59
  Bottom w0.25: v1(50.54,50.97) 50.31,50.97 42.95,58.34 v1(42.95,58.55)
/Avionics/FLASH_IO3: length 15.6
  Top w0.25: v1(48.5,59.79) 47.59,59.79 U3.7 ; v1(52.1,48.09) 52.36,48.35 U2.70
  Bottom w0.25: v1(48.5,59.79) 52.42,55.87 52.42,48.41 v1(52.1,48.09)
/Avionics/FLASH_MISO: length 16.1
  Top w0.25: v1(40.8,59.94) 40.91,59.82 U3.2 ; U2.74 50.76,49.94 v1(50.58,50.11)
  Bottom w0.25: v1(40.8,59.94) 40.8,59.84 50.52,50.11 v1(50.58,50.11)
/Avionics/FLASH_MOSI: length 12.1
  Top w0.25: U3.5 47.6,57.24 v1(48.55,57.24) ; v1(51.25,48.29) 51.56,48.6 U2.72
  Bottom w0.25: v1(51.25,48.29) 51.17,48.37 51.17,54.77 48.7,57.24 v1(48.55,57.24)
/Avionics/FLASH_SCK: length 11.8
  Top w0.25: v1(48.5,58.54) 47.57,58.54 U3.6 ; U2.71 51.96,49.98 v1(51.75,50.19)
  Bottom w0.25: v1(51.75,50.19) 51.7,50.24 51.7,55.34 v1(48.5,58.54)
/Avionics/Magdrv Current Monitor Mux/VREF: length 3
  Top w0.25: C60.1 34.72,46.82 35.39,47.49 U14.10
/Avionics/NEOPIXEL: length 20.1
  Top w0.25: U2.77 49.56,50.16 48.52,51.19 48.52,54.81 49.15,55.44 49.15,67.54 48.75,67.94 D1.4
/Avionics/RUN: length 12.1
  Top w0.25: R23.2 R3.2 48.35,31.89 v1(48.8,32.34) ; U2.35 53.96,38.05 v1(53.6,37.69)
  Bottom w0.25: v1(48.8,32.34) 48.8,32.44 53.6,37.24 v1(53.6,37.69)
/Avionics/Sun Pyramid Mux/VREF: length 2.2
  Top w0.25: U9.10 70.03,23.04 C59.1
/Avionics/USB_IC_D+: length 7.6
  Top w0.25: 53.52,51.64 50,55.16
  Top w0.272: 53.44,51.72 53.56,51.6 U2.67
/Avionics/USB_IC_D-: length 6.9
  Top w0.272: U2.66 53.96,53 51.8,55.16
/Avionics/XTAL1: length 12.7
  Top w0.25: U2.30 51.96,30.18 Y1.1 52.12,28.26 C1.1
/Avionics/XTAL2: length 6.4
  Top w0.25: U2.31 52.36,33.85 R20.2
/GPS/RF_IN: length 3.5
  Top w0.235: U12.11 U13.4
/Watchdog/ref1: length 6.8
  Top w0.25: R62.2 76.08,76.86 R63.1 76.08,73.46 74.43,71.82 73.58,71.82
/Watchdog/ref2: length 5.5
  Top w0.25: 73.58,72.47 74.32,72.47 74.73,72.87 R61.2 74.73,76.86 R62.1
/Watchdog/ref3: length 9.3
  Top w0.25: U7.8 68.73,73.99 71.56,73.99 R61.1 73.08,76.86 R60.2 73.23,78.41 C51.2
/Watchdog/ref4: length 3
  Top w0.25: R65.2 71.58,78.41 R60.1 71.73,76.86 R59.2
/Watchdog/WD_integrate: length 21
  Top w0.25: 65.9,70.44 67.28,71.82 U7.10 70.82,71.82 72.29,70.35 R54.2 72.49,67.26 C39.2 C48.2 70.85,65.9 R56.1 68.46,68.29 67.4,68.29 65.9,69.78 R55.1 65.9,70.44
/Watchdog/WD_Vcc: length 18.1
  Top w0.25: v1(70.1,73.42) 70.1,73.26 72.85,70.52 74.17,70.52 76.08,68.61 C49.2 77.6,66.16 R53.2 79.26,66.12 79.3,66.16 80.85,66.16 C50.1 ; R66.2 70.08,76.91 R59.1 70.1,75.49 v1(70.1,74.7)
  Bottom w0.25: v1(70.1,73.42) v1(70.1,74.7)
ADCS_EN: length 5.7
  Top w0.25: R67.2 81.37,63.69 R68.2 81.55,63.82 J4.3
ADCS_EN_OUT: length 24.2
  Top w0.25: U4.1 69.65,54.98 v1(69.65,54.39) 69.15,53.89 63.6,53.89 TP12.1 ; Q1.8 73.59,55.79 v1(75.05,55.79)
  Top w1: Q1.8 Q1.7 Q1.6 Q1.5 73.6,59.61 C64.1 ; C64.1 73.57,61.09 R7.2 ; C64.1 75.57,61.06 C65.1
  Bottom w0.25: v1(69.65,54.39) 70.9,54.39 72.3,55.79 v1(75.05,55.79)
ADCS_PGOOD: length 47.2
  Top w0.25: v1(58.24,41.47) 58.06,41.64 U2.44
  Bottom w0.25: v1(58.24,41.47) 59.6,40.1 69.33,40.1 79.9,50.67 79.9,64.69 81.03,65.82 J4.4
ADCS_POR: length 29
  Top w0.25: R22.2 82.6,72.41 v1(82.6,65.09)
  Bottom w0.25: J4.1 82.63,61.94 82.6,61.94 v1(82.6,65.09)
EN_GPS: length 18
  Top w0.25: 44.37,64.54 44.47,64.44 v1(45.55,64.44) ; U2.78 49.16,49.63 47.94,50.85 47.94,54.71 v1(47.87,54.78)
  Bottom w0.25: v1(45.55,64.44) 47.87,62.12 v1(47.87,54.78)
EN_IMU: length 16.1
  Top w0.25: U2.16 45.45,42.04 35.86,32.46 R47.2
EN_MAGDRV: length 107.9
  Top w0.25: v1(22.64,50.2) 22.46,50.02 U6.14 20.66,50.72 v1(20.1,51.29) ; U2.9 48,44.84 v1(48.2,45.05) ; v1(16.8,26.69) 17.3,26.19 U8.4 ; U6.4 17.1,50.78 v1(17.1,50.89) ; v1(18.1,62.68) 17.89,62.47 U1.4 ; U8.14 21.25,26.19 v1(21.55,26.49) ; v1(25.4,59.79) 23.72,61.47 U1.14 v1(20.69,62.3) 21.49,63.1 21.49,73.2 TP7.1
  Bottom w0.25: v1(20.69,62.3) 20.31,62.68 v1(18.1,62.68) ; v1(48.2,45.05) 48.2,45.3 47.31,46.19 26.23,46.19 22.64,49.77 v1(22.64,50.2) 22.64,50.33 25.6,53.29 25.6,59.59 v1(25.4,59.79) ; v1(16.8,26.69) 15.7,27.79 15.7,33.59 ; v1(20.1,51.29) 17.5,51.29 v1(17.1,50.89) 17.1,50.84 15.8,49.54 15.8,33.69 15.7,33.59 ; 15.7,33.59 15.7,33.39 21.55,27.54 v1(21.55,26.49)
EN_MAGNMETER: length 47.1
  Top w0.25: v1(32.27,23.58) 32.29,23.58 47.25,38.54 48.35,38.54 48.76,38.95 U2.22 ; 10.92,17.49 11.02,17.59 v1(12.1,17.59)
  Bottom w0.25: v1(32.27,23.58) 32.17,23.48 22.09,23.48 21,22.39 17.25,22.39 12.45,17.59 v1(12.1,17.59)
EN_PD: length 9.1
  Top w0.25: v1(58.32,43.47) 58.1,43.24 U2.48 ; R2.2 64.47,46.36 63.65,45.54 59.69,45.54 v1(59.21,45.06)
  Bottom w0.25: v1(58.32,43.47) 58.32,44.17 v1(59.21,45.06)
GPIO_17: length 12.8
  Top w0.25: TP1.1 37.81,36.3 v1(38.61,36.3) ; v1(40.75,36.31) 40.76,36.31 46.1,41.64 U2.17
  Bottom w0.25: v1(38.61,36.3) 38.62,36.31 v1(40.75,36.31)
GPIO_32: length 12
  Top w0.25: TP3.1 65.82,36.46 59.33,36.46 58,37.79 57.99,37.79 56.44,39.35 U2.40
GPIO_33: length 7
  Top w0.25: TP4.1 62.3,37.53 59.91,39.92 59.89,39.92 59.32,40.49 57.81,40.49 57.46,40.84 U2.42
GPIO_34: length 6.3
  Top w0.25: U2.43 57.58,41.24 57.95,40.88 59.45,40.88 60.16,40.17 61.28,40.17 TP5.1
I2C0_SCL: length 37.6
  Top w0.25: U11.13 28.94,42.6 v1(29.77,43.44) 29.77,44.41 35.45,50.09 U14.14 37.02,50.09 38.1,51.16 40.7,48.56 40.7,45.19 43,42.89 44.09,42.89 44.85,43.64 U2.12 ; J19.4 23.12,40.11 25.37,42.36 v1(25.4,42.36)
  Bottom w0.25: v1(29.77,43.44) 28.7,42.36 v1(25.4,42.36)
I2C0_SDA: length 38
  Top w0.25: U2.11 44.76,44.04 44,43.29 43.23,43.29 41.4,45.11 R45.2 41.4,48.96 38.52,51.84 37.67,51.84 37.3,51.47 37.3,51.19 36.85,50.74 U14.15 35.57,50.74 26,41.16 26,40.29 24.1,38.39 J19.3 ; U11.14 28.44,43.05 28.16,43.32
I2C1_SCL: length 46.7
  Top w0.25: U4.6 65.6,57.03 v1(65.6,57.64) ; R6.2 67.95,23.52 67.43,23.52 ; 67.43,23.52 66.1,24.85 66.1,27.78 55.56,38.32 U2.39 55.56,40.35 v1(55.6,40.39) ; 67.43,23.52 U9.14
  Bottom w0.25: v1(65.6,57.64) 65.6,56.29 55.59,46.28 55.59,40.4 v1(55.6,40.39)
I2C1_SDA: length 48.1
  Top w0.25: R5.2 64.81,21.34 65.31,20.84 66.36,20.84 66.78,21.27 U9.15 66.78,23.67 65.7,24.75 65.7,27.69 55.16,38.23 U2.38 55.16,39.73 54.93,39.96 54.93,41.73 v1(54.92,41.74) ; v1(64.25,56.49) U4.7
  Bottom w0.25: v1(54.92,41.74) 54.92,47.16 v1(64.25,56.49)
IMU_INT1: length 23
  Top w0.25: v1(31.82,42.47) 31.89,42.54 44.24,42.54 44.95,43.24 U2.13 ; U11.4 26.85,40.29 v1(26.7,40.14)
  Bottom w0.25: v1(31.82,42.47) 31.61,42.47 29.28,40.14 v1(26.7,40.14)
IMU_INT2: length 18
  Top w0.25: v1(32.28,41.8) 44.01,41.8 45.06,42.84 U2.14 ; v1(31.09,41) 30.88,40.79 U11.9
  Bottom w0.25: v1(32.28,41.8) 31.89,41.8 v1(31.09,41)
MAGMETER_DRDY: length 46.3
  Top w0.25: U10.7 27.64,8.13 28.1,8.59 28.1,8.69 v1(28.5,9.09) ; v1(35.3,23.89) 44.7,33.29 v1(47.4,33.29) ; U2.28 51.16,39.95 v1(51.4,40.19)
  Bottom w0.25: v1(28.5,9.09) 28.5,17.09 v1(35.3,23.89) ; v1(47.4,33.29) 51.4,37.29 v1(51.4,40.19)
MISO_MAGMETER: length 48.8
  Top w0.25: v1(13.3,12.68) 11.3,10.69 10.82,10.69 U10.2 ; U2.20 47.26,40.44 v1(19.5,12.69)
  Bottom w0.25: v1(19.5,12.69) 13.3,12.69 v1(13.3,12.68)
MOSI_MAGMETER: length 50
  Top w0.25: U2.19 46.8,40.84 18.82,12.86 16.07,12.86 11.34,8.13 U10.3
MOTOR_EN: length 29.2
  Top w0.25: J8.1 32.26,21.9 49.16,38.8 U2.23
MOTOR_PGOOD: length 32.2
  Top w0.25: J8.2 34.8,17.99 v1(35.45,18.64) ; U2.27 50.76,38.96 50.89,38.83 50.89,38.18 v1(50.35,37.64)
  Bottom w0.25: v1(50.35,37.64) 50.3,37.64 46.7,34.04 46.7,24.49 40.7,18.49 35.6,18.49 v1(35.45,18.64)
pd_y+_1: length 36.7
  Top w0.25: J1.2 76.81,17.46 v1(73.94,20.34) ; v1(56.3,43.58) 56.37,43.64 U2.49
  Bottom w0.25: v1(73.94,20.34) 73.9,20.34 56.85,37.39 56.85,38.94 56.27,39.52 56.27,43.55 v1(56.3,43.58)
pd_y+_2: length 40.3
  Top w0.25: v1(75.36,17.68) 75.37,17.68 76.83,16.21 J1.1 ; U2.52 56.64,44.84 v1(56.2,45.29) ; v1(56.2,45.29) 56.2,45.18 56.09,45.29 v1(56.2,45.29)
  Bottom w0.25: v1(56.2,45.29) 57.21,44.28 57.21,38.41 75.36,20.26 v1(75.36,17.68)
pd_y-_1: length 25.1
  Top w0.25: v1(69.39,46.6) 77.45,38.54 78.1,38.54 ; U2.55 57.86,46.04 59,47.19 61.21,47.19 v1(61.26,47.14)
  Bottom w0.25: v1(61.26,47.14) 61.28,47.12 62.37,47.12 62.85,46.64 69.35,46.64 v1(69.39,46.6)
pd_y-_2: length 25.9
  Top w0.25: v1(61.91,47.7) 61.87,47.74 58.98,47.74 57.69,46.44 U2.56 ; 78.1,37.29 77.8,37.29 v1(67.82,47.26)
  Bottom w0.25: v1(67.82,47.26) 67.39,47.7 v1(61.91,47.7)
pd_z+_1: length 30.6
  Top w0.25: U2.53 58.45,45.24 59.25,46.04 61.21,46.04 v1(61.47,46.3) ; J2.2 77.84,27.96 77.23,28.57 77.23,31.09 65.32,43.01 v1(65.32,43.02)
  Bottom w0.25: v1(65.32,43.02) 65.32,43.03 62.05,46.3 v1(61.47,46.3)
pd_z+_2: length 31
  Top w0.25: v1(63.92,42.86) 76.88,29.9 76.88,27.67 77.84,26.71 J2.1 ; U2.54 57.96,45.64 58.92,46.61 v1(60.12,46.61)
  Bottom w0.25: v1(63.92,42.86) 63.87,42.86 v1(60.12,46.61)
